# KiCad board CPU2908C.kicad_pcb (continued)
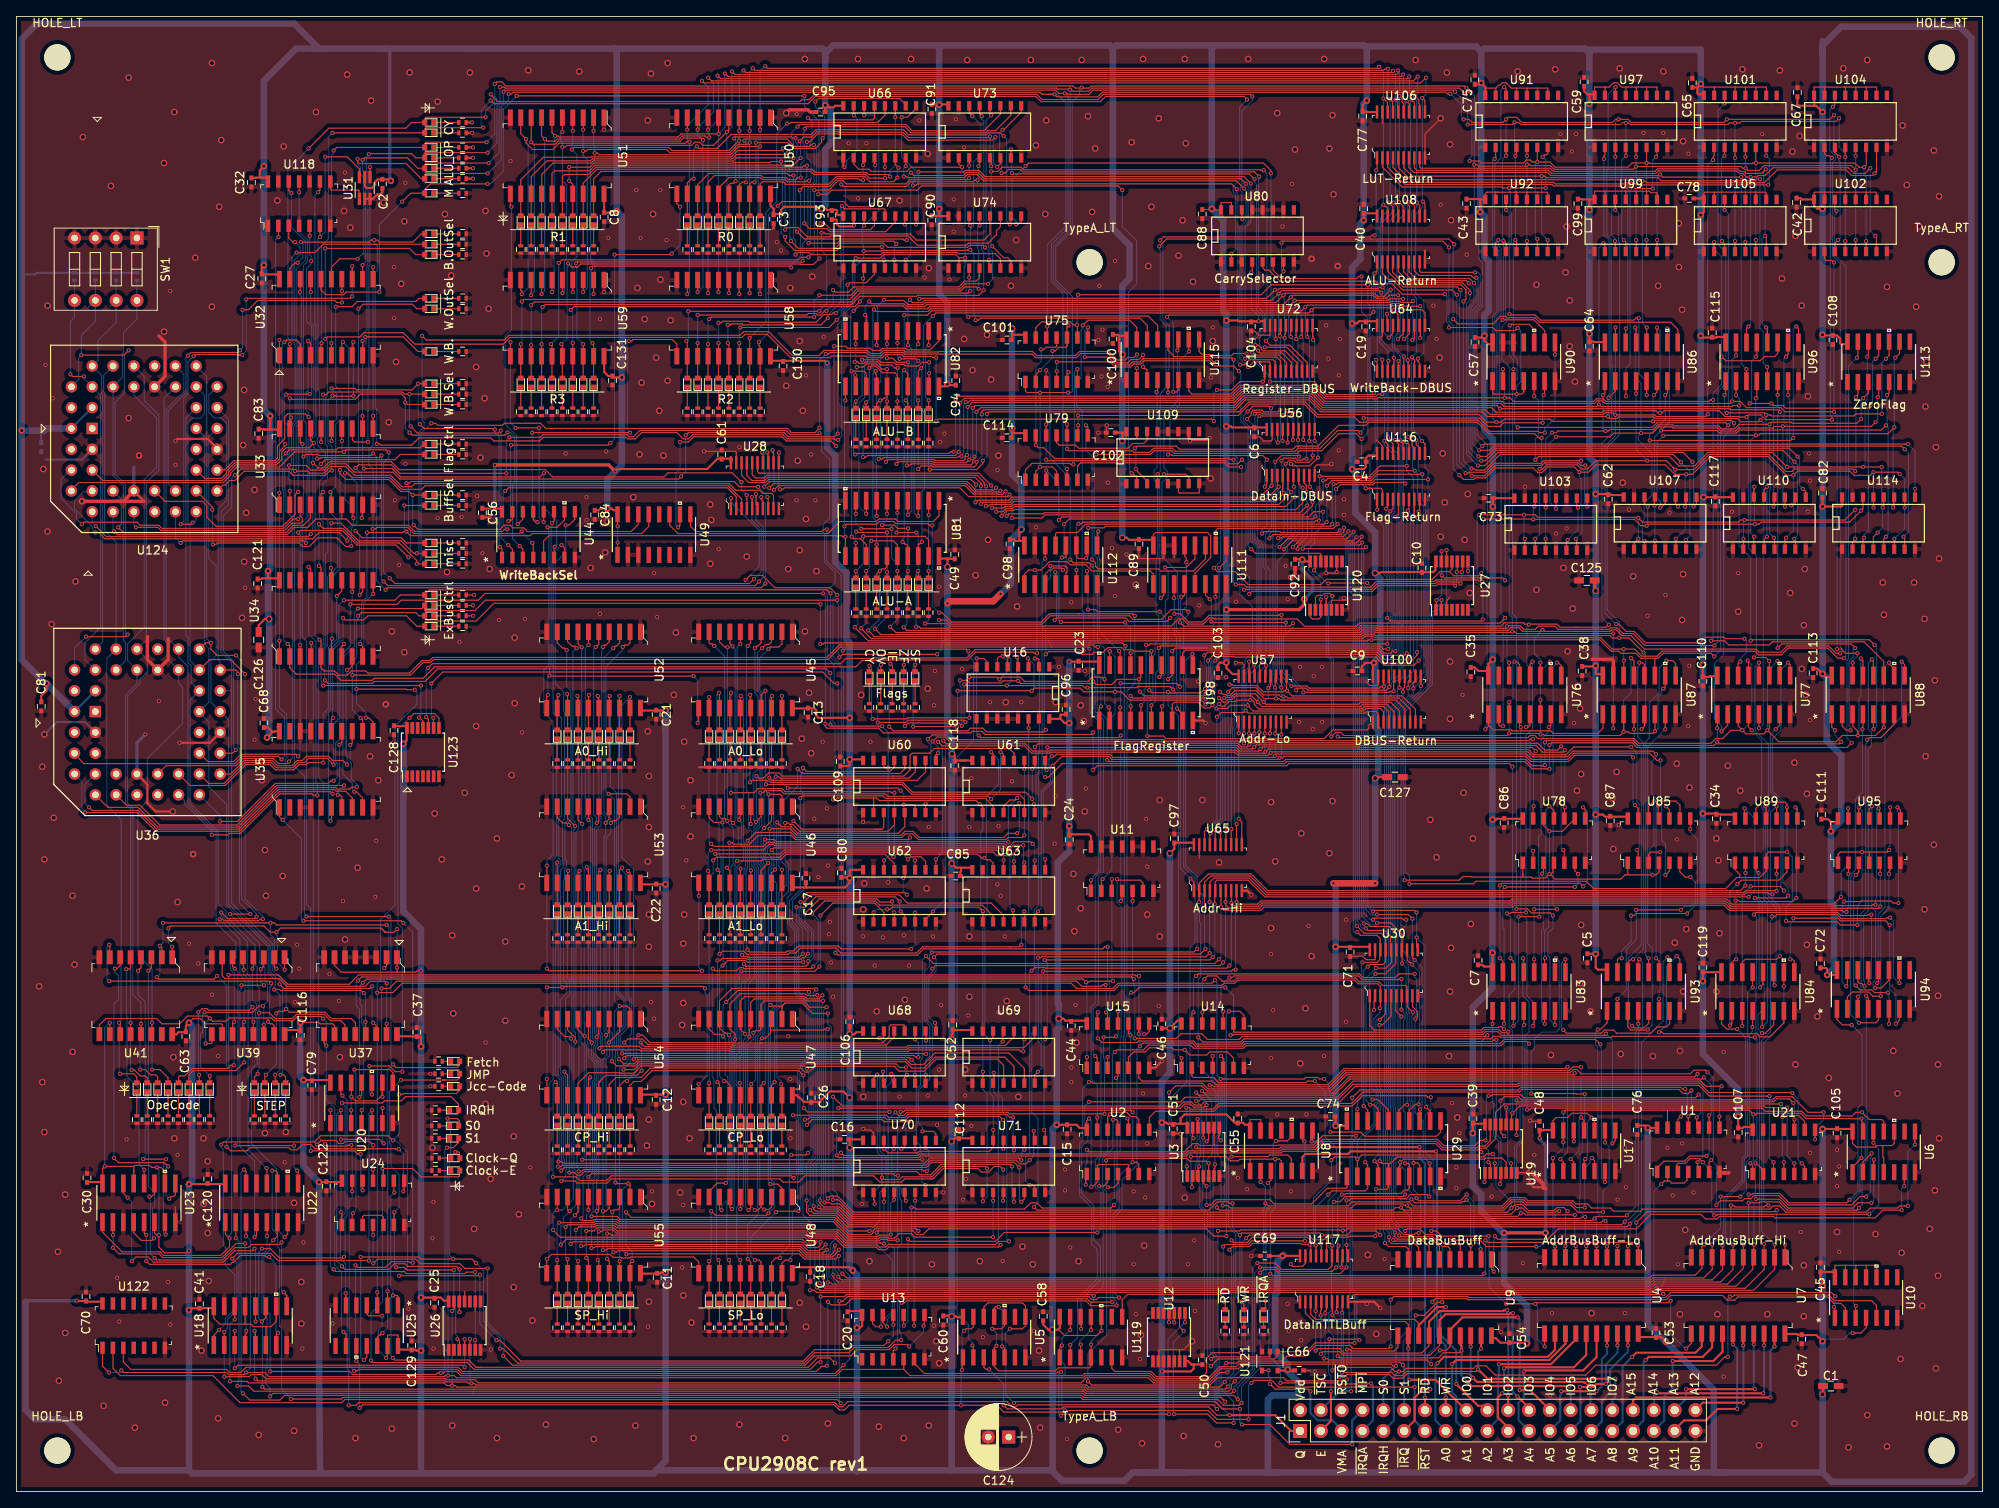
[diagram p0: board, top side]
## Routing (per net, layer and track width the routed paths; a pad name or vN(x,y) marks a point on that pad's centre or on a via; arc(x,y) is an arc through that point) (continued)
  Bottom w0.127: v2(105.63,151.88) 105.89,151.62 v2(105.89,150.3) ; v2(93.84,153.09) 93.34,153.59 93.34,155.52 93.5,155.69 93.5,161.77 93.33,161.94 v2(93.33,162.29) ; v2(67.47,159.95) v2(67.47,161.6)
/Executer/L11: length 55.2
  Top w0.127: 66.64,155.63 66.64,159.05 ; v2(96.18,154.74) 96.81,154.11 98.92,154.11 99.31,153.72 106.08,153.72 107.28,154.93 U67.11 ; v2(96.49,161.79) 96.14,161.79 95.95,161.6 90.52,161.6 70.73,161.6 69.84,160.71 66.92,160.71 66.64,160.44 66.64,158.93
  Bottom w0.127: v2(96.18,154.74) 96.18,160.11 96.49,160.42 v2(96.49,161.79)
/Executer/L12: length 67.2
  Top w0.127: v2(118.99,161.73) 118.99,162.73 118.84,162.87 ; 65.38,155.76 U51.15 65.38,160.83 65.7,161.16 69.93,161.16 70.63,161.85 90.42,161.85 94.84,161.85 v2(95.73,162.74) ; v2(95.6,164.78) 96.1,165.28 97.05,165.28 97.69,165.92 100.37,165.92 100.44,165.85 108.25,165.85 108.89,165.21 118.72,165.21 v2(118.84,165.34)
  Bottom w0.127: v2(95.6,164.78) 95.73,164.65 v2(95.73,162.74) ; v2(118.84,165.34) 118.84,161.87 v2(118.99,161.73)
/Executer/L13: length 67.6
  Top w0.127: v2(95.35,166.55) 95.6,166.8 108.58,166.8 109.32,166.05 118.1,166.05 120.11,168.06 120.11,168.97 ; 64.11,155.76 U51.14 64.11,159.47 64.12,159.49 64.12,160.71 65.52,162.11 70.16,162.11 70.42,162.36 87.49,162.36 87.87,162.74 v2(94.84,162.74)
  Bottom w0.127: v2(94.84,162.74) 94.84,164.76 94.66,164.94 94.66,165.86 v2(95.35,166.55)
/Executer/L14: length 75.3
  Top w0.127: v2(94.24,163.41) 93.99,163.16 87.93,163.16 87.39,162.62 70.31,162.62 70.07,162.37 64.77,162.37 62.85,160.46 62.85,159.49 62.83,159.47 U51.13 62.83,155.63 ; v2(118.23,151.81) 117.98,152.06 116.33,152.06 116.1,151.82 106.34,151.82 105.83,152.33 100.58,152.33 99.94,151.7 95.44,151.7 v2(94.54,152.6) ; v2(118.72,150.3) 118.72,149.79
  Bottom w0.127: v2(94.54,152.6) 94.54,152.95 94.4,153.09 94.4,162.9 94.24,163.06 v2(94.24,163.41) ; v2(118.23,151.81) 118.72,151.32 v2(118.72,150.3)
/Executer/L15: length 77.8
  Top w0.127: v2(93.82,153.98) 94.07,154.23 95.43,154.23 96.56,153.1 99.27,153.1 99.38,153.2 108.84,153.2 109.97,152.07 115.94,152.07 116.19,152.33 118.6,152.33 119.62,153.34 119.62,153.85 120.11,154.34 120.11,155.5 ; v2(93.57,163.88) 93.32,163.64 88.05,163.64 87.28,162.87 70.2,162.87 70.15,162.81 64.32,162.81 61.56,160.06 U51.12 61.56,155.63
  Bottom w0.127: v2(93.82,153.98) 93.82,163.28 93.57,163.53 v2(93.57,163.88)
/Executer/L16: length 40.1
  Top w0.127: v2(92.93,156.9) 93.44,157.41 100.95,157.41 101.59,156.77 104.25,156.77 v2(104.51,157.03) ; 90.78,135.82 U58.19 90.78,139.66 90.65,139.79 v2(90.65,140.26) ; v2(104.82,161.85) 104.75,161.93 U66.4
  Bottom w0.127: v2(104.51,157.03) 104.82,157.34 v2(104.82,161.85) ; v2(92.93,156.9) 91.8,155.77 91.8,141.41 v2(90.65,140.26)
/Executer/L17: length 46.4
  Top w0.127: v2(94.08,166.93) 94.43,166.93 94.56,167.06 105.13,167.06 106.02,167.95 106.02,168.97 ; v2(89.5,140.77) 89.5,140.77 U58.18 89.5,135.82
  Bottom w0.127: v2(94.08,166.93) 92.81,165.66 92.81,157.4 91.48,156.07 91.48,142.75 v2(89.5,140.77)
/Executer/L18: length 27.8
  Top w0.127: v2(88.23,140.14) U58.17 88.23,135.82 ; v2(88.38,142.04) 99.2,142.04 v2(100.13,142.98) ; U67.4 104.75,148.53 103.71,147.5 101.71,147.5 v2(101.46,147.25)
  Bottom w0.127: v2(88.38,142.04) 88.23,141.9 v2(88.23,140.14) ; v2(100.13,142.98) 100.68,143.52 100.68,144.09 101.46,144.87 v2(101.46,147.25)
/Executer/L19: length 39.9
  Top w0.127: v2(86.84,140.14) 86.97,140.01 U58.16 86.97,135.82 ; 106.03,155.76 106.03,156.39 105.9,156.52 101.09,156.52 v2(100.76,156.84) ; 105.89,155.5 U67.12 ; v2(86.84,142.36) 87.19,142.36 87.31,142.48 88.59,142.48 88.71,142.36 98.21,142.36 v2(99.03,143.18)
  Bottom w0.127: v2(100.76,156.84) 100.63,156.71 100.63,145.14 99.03,143.54 v2(99.03,143.18) ; v2(86.84,140.14) v2(86.84,142.36)
/Executer/L20: length 58
  Top w0.127: U73.4 117.57,161.85 v2(117.44,161.73) ; v2(85.69,140.14) U58.15 85.69,135.82 ; v2(100.05,143.82) 99.69,143.82 99.5,143.62 98.56,143.62 97.62,142.68 89.5,142.68 89.38,142.8 86.24,142.8 86.05,142.62 v2(85.69,142.62) ; v2(117.32,160.01) 116.96,160.01 116.78,159.82 109.2,159.82 108.63,159.25 100.95,159.25 v2(100.7,159.5)
  Bottom w0.127: v2(117.44,161.73) 117.44,160.13 v2(117.32,160.01) ; v2(100.05,143.82) 100.95,144.72 100.95,156.37 101.21,156.63 101.21,158.99 v2(100.7,159.5) ; v2(85.69,140.14) v2(85.69,142.62)
/Executer/L21: length 66.9
  Top w0.127: v2(118.99,167.95) 118.84,168.09 U73.12 ; v2(118.59,147.38) 115.79,147.38 115.15,146.74 102.6,146.74 101.84,145.98 v2(98.03,145.98) ; v2(84.42,140.01) U58.14 84.42,135.82 ; v2(97.38,143.31) 84.81,143.31 v2(84.55,143.06)
  Bottom w0.127: v2(97.38,143.31) 97.38,145.33 v2(98.03,145.98) ; v2(84.42,140.01) 84.42,142.93 v2(84.55,143.06) ; v2(118.59,147.38) 119.16,147.94 119.16,151.25 118.67,151.74 118.67,152.39 118.35,152.71 118.35,167.32 v2(118.99,167.95)
/Executer/L22: length 46.7
  Top w0.127: v2(83.16,143.56) 96.47,143.56 96.66,143.75 97.59,143.75 97.78,143.56 98.15,143.56 98.65,144.07 v2(98.87,144.07) ; 83.16,135.82 U58.13 v2(83.16,140.14) ; 117.57,149.41 117.57,148.14 117.13,147.69 115.75,147.69 115.05,146.99 102.22,146.99 101.59,146.36 99.94,146.36 v2(99.68,146.61)
  Bottom w0.127: v2(83.16,143.56) v2(83.16,140.14) ; v2(98.87,144.07) 99.68,144.87 v2(99.68,146.61)
/Executer/L23: length 57.9
  Top w0.127: v2(98.28,153.6) 98.64,153.6 98.78,153.46 109.09,153.46 109.84,152.71 118.1,152.71 118.84,153.45 U74.12 ; 81.89,135.82 U58.12 81.89,140.28 v2(81.77,140.39) ; v2(98.01,144.06) 97.96,144.01 v2(82.01,144.01)
  Bottom w0.127: v2(98.01,144.06) 98.91,144.97 98.91,150.8 98.28,151.43 v2(98.28,153.6) ; v2(81.77,140.39) 82.01,140.63 v2(82.01,144.01)
/Executer/L24: length 59
  Top w0.127: v2(70.33,140.14) 70.45,140.01 U59.19 70.45,135.82 ; v2(94.58,149.35) 94.4,149.53 70.39,149.53 v2(70.13,149.28) ; v2(95.62,158.81) 96.07,159.25 99.25,159.25 100.19,160.19 102.81,160.19 102.99,160.01 v2(103.35,160.01) ; 103.47,162.23 103.39,162.23 103.36,162.21 v2(103.36,161.85)
  Bottom w0.127: v2(95.62,158.81) 95.62,158.45 95.72,158.34 95.72,150.84 94.58,149.7 v2(94.58,149.35) ; v2(103.35,160.01) 103.35,161.84 v2(103.36,161.85) ; v2(70.33,140.14) 70.01,140.46 70.01,148.8 70.13,148.93 v2(70.13,149.28)
/Executer/L25: length 70.2
  Top w0.127: 104.75,168.71 104.75,167.57 104.55,167.38 96.87,167.38 v2(96.62,167.63) ; v2(95.98,150.17) 95.86,150.04 70.18,150.04 68.48,150.04 v2(68.3,149.86) ; v2(69.19,140.01) U59.18 69.19,135.82
  Bottom w0.127: v2(95.98,150.17) 95.98,152.28 96.62,152.91 96.62,159.04 97.38,159.8 97.38,163.61 96.88,164.11 96.88,164.53 97.11,164.76 97.11,167.13 v2(96.62,167.63) ; v2(69.19,140.01) 68.42,140.77 68.42,149.37 68.3,149.5 v2(68.3,149.86)
/Executer/L26: length 48.5
  Top w0.127: v2(103.35,148.01) 103.41,148.07 103.41,149.28 ; v2(67.66,144.2) 68.04,144.58 102.33,144.58 v2(102.97,145.22) ; 67.92,135.82 U59.17 v2(67.92,140.14)
  Bottom w0.127: v2(67.92,140.14) 67.92,143.95 v2(67.66,144.2) ; v2(102.97,145.22) 103.35,145.6 v2(103.35,148.01)
/Executer/L27: length 58.5
  Top w0.127: v2(67.34,149.86) 67.78,149.41 68.51,149.41 68.88,149.79 70.28,149.79 95.71,149.79 95.77,149.73 97.3,149.73 v2(98.03,150.46) ; v2(66.52,140.01) 66.64,139.88 66.64,135.82 ; 104.75,155.5 104.75,154.49 104.24,153.98 99.41,153.98 98.65,154.74 v2(98.16,154.74)
  Bottom w0.127: v2(98.16,154.74) 97.78,154.36 97.78,150.71 v2(98.03,150.46) ; v2(66.52,140.01) 67.21,140.7 67.21,149.37 67.34,149.5 v2(67.34,149.86)
/Executer/L28: length 76
  Top w0.127: v2(66.2,149.91) 66.58,150.3 70.07,150.3 95.46,150.3 95.77,150.61 v2(96.68,150.61) ; v2(97.39,158.81) 99.16,158.81 100.29,159.94 100.91,159.94 101.28,159.57 108.59,159.57 109.09,160.08 116.12,160.08 v2(116.3,160.26) ; 65.38,135.82 U59.15 65.38,139.88 v2(65.25,140.01) ; 116.3,162.62 v2(116.3,161.78)
  Bottom w0.127: v2(116.3,160.26) v2(116.3,161.78) ; v2(66.2,149.91) 66.2,140.96 v2(65.25,140.01) ; v2(96.68,150.61) 97.39,151.33 v2(97.39,158.81)
/Executer/L29: length 86.1
  Top w0.127: v2(117.83,167.82) 117.57,168.08 117.57,168.84 ; v2(64.23,144.52) 64.55,144.84 101.93,144.84 102.95,145.85 109.88,145.85 109.99,145.97 117.45,145.97 v2(118.07,146.58) ; 64.11,135.82 U59.14 v2(64.11,140.01)
  Bottom w0.127: v2(117.83,167.82) 117.83,167.47 118.08,167.22 118.08,152.3 117.79,152.02 117.79,151.59 118.07,151.32 v2(118.07,146.58) ; v2(64.23,144.52) 64.11,144.39 v2(64.11,140.01)
/Executer/L30: length 66
  Top w0.127: v2(116.3,148.14) 116.3,149.15 ; 62.83,135.82 U59.13 v2(62.83,139.88) ; v2(116.43,146.49) 116.18,146.23 102.97,146.23 101.89,145.15 63.21,145.15 v2(62.83,144.78)
  Bottom w0.127: v2(116.43,146.49) 116.3,146.61 v2(116.3,148.14) ; v2(62.83,139.88) v2(62.83,144.78)
/Executer/L31: length 75.1
  Top w0.127: 61.56,135.82 U59.12 v2(61.56,140.01) ; v2(61.69,145.22) 61.94,145.47 101.71,145.47 102.73,146.49 115.26,146.49 115.76,146.99 117.21,146.99 v2(117.46,146.74) ; v2(117.57,154.49) U74.13
  Bottom w0.127: v2(61.69,145.22) 61.69,140.14 v2(61.56,140.01) ; v2(117.46,146.74) 117.46,151.56 117.32,151.7 117.32,154.24 v2(117.57,154.49)
/Executer/L32: length 33.7
  Top w0.127: v2(94.15,85.84) 107.62,85.84 v2(107.94,85.53) ; v2(93.44,97.08) U45.19 93.44,93.02 ; 109.7,82.73 109.7,83.64 109.53,83.81 v2(108.32,83.81)
  Bottom w0.127: v2(108.32,83.81) 108.32,85.14 v2(107.94,85.53) ; v2(93.44,97.08) 93.44,86.55 v2(94.15,85.84)
/Executer/L33: length 35.2
  Top w0.127: v2(92.22,97.08) 92.17,97.03 U45.18 92.17,93.02 ; 91.92,87.06 92.18,86.79 93.48,86.79 93.49,86.79 109.96,86.79 110.98,87.81 110.98,89.21
  Bottom w0.127: v2(91.92,87.12) 91.92,96.78 v2(92.22,97.08)
/Executer/L34: length 50.3
  Top w0.127: U61.6 123.03,84.47 122.41,85.09 109.29,85.09 108.09,86.28 93.28,86.28 93.27,86.29 v2(91.5,86.29) ; 90.9,93.02 U45.17 90.9,97.19 v2(91.43,97.72)
  Bottom w0.127: v2(91.43,97.72) 91.43,86.72 91.5,86.64 v2(91.5,86.29)
/Executer/L35: length 55.2
  Top w0.127: v2(124.01,88.19) 124.3,88.49 U61.10 ; v2(124,84.51) 123.17,85.34 109.39,85.34 108.2,86.53 93.39,86.53 93.38,86.54 92.08,86.54 91.94,86.68 91.71,86.68 91.59,86.79 89.81,86.79 v2(89.56,86.54) ; v2(89.56,97.21) 89.63,97.14 U45.16 89.63,93.02
  Bottom w0.127: v2(124.01,88.19) 124,88.19 v2(124,84.51) ; v2(89.56,97.21) 89.56,96.86 89.52,96.81 89.52,86.94 89.56,86.9 v2(89.56,86.54)
/Executer/L36: length 61.8
  Top w0.127: U62.6 v2(109.7,70.65) ; 88.36,93.02 U45.15 88.36,97.02 v2(88.42,97.08) ; v2(89.23,66.13) 89.51,65.84 91.17,65.84 91.2,65.81 93.94,65.81 94.09,65.97 94.86,65.97 95.46,66.57 100.33,66.57 100.68,66.22 v2(109.21,66.22)
  Bottom w0.127: v2(109.21,66.22) 109.7,66.71 v2(109.7,70.65) ; v2(88.42,97.08) 88.74,96.76 88.74,79.3 89.25,78.8 89.25,76 89.08,75.83 89.08,66.63 89.23,66.48 v2(89.23,66.13)
/Executer/L37: length 49.2
  Top w0.127: v2(87.24,85.27) 90.03,85.27 90.54,85.78 93.46,85.78 93.84,85.4 106.69,85.4 106.82,85.27 v2(107.17,85.27) ; 110.98,76.13 110.98,76.89 110.42,77.46 109.14,77.46 v2(108.83,77.14) ; 87.09,93.02 U45.14 87.09,97.32 v2(87.24,97.46)
  Bottom w0.127: v2(108.83,77.14) 107.17,78.8 v2(107.17,85.27) ; v2(87.24,97.46) v2(87.24,85.27)
/Executer/L38: length 80.1
  Top w0.127: v2(85.82,65.59) 86.17,65.93 88.8,65.93 89.17,65.56 94.2,65.56 94.36,65.71 95.11,65.71 95.71,66.32 100.03,66.32 100.64,65.71 109.86,65.71 110.62,66.48 121.27,66.48 ; v2(85.76,97.46) 85.82,97.4 U45.13 85.82,93.02 ; 121.27,66.48 122.41,66.48 v2(122.67,66.73) ; 121.27,66.48 121.4,66.48 ; v2(123.03,70.79) 123.03,69.91
  Bottom w0.127: v2(85.76,97.46) 85.51,97.21 85.51,81.7 85.76,81.45 85.76,77.71 86.01,77.47 86.01,75.66 85.82,75.48 v2(85.82,65.59) ; v2(123.03,70.79) 122.67,70.43 v2(122.67,66.73)
/Executer/L39: length 65.2
  Top w0.127: 84.55,93.02 U45.12 v2(84.55,96.96) ; v2(124.3,77.02) 124.3,76 ; v2(124.05,79.05) 123.79,79.3 121.8,79.3 121.23,78.74 120.94,78.74 120.63,79.05 92.68,79.05 92.48,79.24 91.79,79.24 91.77,79.23 91.67,79.23 91.18,78.74 85.12,78.74 v2(84.81,79.05)
  Bottom w0.127: v2(84.55,96.96) 84.55,79.3 v2(84.81,79.05) ; v2(124.3,77.02) 124.3,78.8 v2(124.05,79.05)
/Executer/L40: length 86.2
  Top w0.127: v2(109.7,50.85) 109.7,50.09 ; v2(109.27,52.68) 108.99,52.95 75.55,52.95 v2(75.35,52.75) ; 74.9,92.89 U52.19 v2(74.9,96.96)
  Bottom w0.127: v2(74.9,96.96) 73.9,95.96 73.9,77.4 75.35,75.95 v2(75.35,52.75) ; v2(109.7,50.85) 109.7,52.25 v2(109.27,52.68)
/Executer/L41: length 88.6
  Top w0.127: v2(73.63,97.08) U52.18 73.63,92.89 ; 110.97,56.06 111.04,55.99 v2(111.04,55.05) ; v2(73.94,53.46) 86.99,53.46 110.62,53.46 110.69,53.4 v2(111.04,53.4)
  Bottom w0.127: v2(111.04,55.05) v2(111.04,53.4) ; v2(73.94,53.46) 73.94,53.82 73.5,54.26 73.5,55.92 74.41,56.82 74.41,59.99 73.5,60.9 73.5,96.6 73.63,96.73 v2(73.63,97.08)
/Executer/L42: length 104.1
  Top w0.127: 123.03,50.98 123.03,50.09 ; v2(72.42,97.08) 72.36,97.02 U52.17 72.36,92.89 ; 123.03,51.35 123.03,51.51 ; 123.03,51.35 123.03,51.63 121.14,53.52 112.13,53.52 110.73,52.12 109.2,52.12 108.63,52.7 75.92,52.7 75.41,52.19 74.13,52.19 v2(73.56,52.76) ; 123.03,51.35 U69.6
  Bottom w0.127: v2(73.56,52.76) 73.56,53.11 73.38,53.3 73.38,54.02 73.25,54.15 73.25,56.05 74.15,56.95 74.15,59.89 73.25,60.79 73.25,85.27 72.5,86.02 72.5,96.42 72.42,96.51 v2(72.42,97.08)
/Executer/L43: length 102.6
  Top w0.127: v2(70.96,97.08) 71.09,96.96 U52.16 71.09,92.89 ; v2(71.16,54.09) 71.41,54.34 76.01,54.34 76.32,54.03 87.14,54.03 87.2,53.97 108.74,53.97 108.93,54.16 122.97,54.16 124.3,55.49 124.3,56.19
  Bottom w0.127: v2(70.96,97.08) 70.96,96.73 71.09,96.6 71.09,82.62 71.36,82.35 71.36,81.33 70.84,80.81 70.84,56.11 71.27,55.67 71.27,54.21 v2(71.16,54.09)
/Executer/L44: length 115.1
  Top w0.127: v2(110.09,31.81) 109.84,32.06 104.8,32.06 104.57,31.83 104.57,31.59 104.34,31.36 101.65,31.36 99.81,33.2 73.7,33.2 73.32,33.58 v2(70.2,33.58) ; v2(69.88,97.21) 69.82,97.15 U52.15 69.82,92.89 ; v2(109.7,35.49) 109.7,36.38
  Bottom w0.127: v2(109.7,35.49) 109.7,32.2 v2(110.09,31.81) ; v2(69.88,97.21) 69.88,82.56 70.33,82.11 70.33,55.34 70.67,55 70.67,54.58 70.46,54.37 70.46,53.18 71.09,52.54 71.09,50.14 70.84,49.88 70.84,38.41 70.4,37.97 70.4,34.13 70.2,33.94 v2(70.2,33.58)
/Executer/L45: length 108.9
  Top w0.127: 68.55,92.89 U52.14 68.55,97.02 v2(68.48,97.08) ; v2(110.97,41.97) 110.97,42.32 ; v2(68.63,39.06) 68.97,39.06 69.21,39.3 110.58,39.3 110.76,39.11 v2(111.11,39.11)
  Bottom w0.127: v2(68.48,97.08) 68.48,96.73 68.63,96.59 68.63,80.76 68.3,80.43 68.3,75.88 68.3,56.57 68.67,56.2 68.67,41.19 68.42,40.94 68.42,39.71 68.63,39.5 v2(68.63,39.06) ; v2(111.11,39.11) 111.36,39.36 111.36,41.57 v2(110.97,41.97)
/Executer/L46: length 126.2
  Top w0.127: v2(122.67,35.36) 123.03,35.73 123.03,36.63 ; v2(66.52,39.17) 66.9,39.55 111.09,39.55 111.72,40.19 121.78,40.19 v2(122.41,39.55) ; 67.28,92.89 U52.13 67.28,97.28 v2(67.22,97.34)
  Bottom w0.127: v2(66.52,39.17) 66.89,39.55 66.89,40.52 66.77,40.64 66.77,50.6 66.39,50.98 66.39,59.98 67.17,60.76 67.17,62.03 66.79,62.41 66.79,74.6 66.91,74.72 66.91,75.96 67.17,76.22 67.17,76.99 66.96,77.2 66.96,81.59 67.28,81.92 67.28,96.92 67.22,96.98 v2(67.22,97.34) ; v2(122.67,35.36) 122.41,35.62 v2(122.41,39.55)
/Executer/L47: length 126.5
  Top w0.127: 66.01,92.77 U52.12 66.01,97.07 v2(66.15,97.21) ; v2(123.68,40.44) 123.24,39.99 122.48,39.99 122.03,40.44 111.62,40.44 110.98,39.81 66.62,39.81 66.46,39.65 v2(66.11,39.65) ; v2(124.18,44) 124.18,42.73
  Bottom w0.127: v2(123.68,40.44) 124.18,40.93 v2(124.18,44) ; v2(66.15,97.21) 66.15,94.79 66.53,94.41 66.53,82.47 66.2,82.14 66.2,77.24 66.47,76.97 66.47,76.55 66.14,76.22 66.14,50.88 66.52,50.5 66.52,40.53 66.64,40.41 66.64,39.82 66.46,39.65 v2(66.11,39.65)
/Executer/L48: length 28.4
  Top w0.127: v2(92.87,81.66) 93.39,81.13 94.57,81.13 95.38,80.32 107.63,80.32 108.44,81.13 108.44,82.86 ; 93.44,71.68 U46.19 93.44,75.86 v2(93.46,75.87)
  Bottom w0.127: v2(92.87,81.66) 93.06,81.46 93.06,76.27 v2(93.46,75.87)
/Executer/L49: length 35.2
  Top w0.127: 92.17,71.56 U46.18 92.17,75.47 v2(92.6,75.9) ; v2(92.7,87.24) 93.05,87.24 93.24,87.05 107.09,87.05 108.95,87.05 109.71,87.81 109.71,89.34
  Bottom w0.127: v2(92.7,87.24) 92.43,86.97 92.43,81.46 92.8,81.09 92.8,76.09 v2(92.6,75.9)
/Executer/L50: length 46.4
  Top w0.127: v2(122.16,80.32) 121.02,80.32 120.51,79.81 110.2,79.81 109.44,80.57 108.46,80.57 107.96,80.07 95.28,80.07 94.47,80.87 v2(91.94,80.87) ; v2(91.78,76.7) 90.9,75.83 U46.17 90.9,71.56 ; v2(122.41,84) 122.16,83.75 121.91,83.75 121.76,83.61 121.76,83.11
  Bottom w0.127: v2(91.78,76.7) 91.43,77.05 91.43,78.92 91.94,79.44 v2(91.94,80.87) ; v2(122.16,80.32) 122.41,80.57 v2(122.41,84)
/Executer/L51: length 53
  Top w0.127: U61.11 v2(123.03,88.18) ; v2(89.66,75.79) 89.63,75.77 U46.16 89.63,71.56 ; 123.03,88.42 123.03,89.08 ; v2(89.25,79.43) 90.25,80.43 92.15,80.43 92.17,80.45 94.54,80.45 95.17,79.81 108.06,79.81 108.5,80.25 109.4,80.25 110.09,79.56 120.77,79.56 120.87,79.66 120.87,79.67 121.02,79.81 122.78,79.81 v2(123.04,80.07)
  Bottom w0.127: v2(89.66,75.79) 89.5,75.95 89.5,79.18 v2(89.25,79.43) ; v2(123.03,88.18) 123.04,88.17 v2(123.04,80.07)
/Executer/L52: length 44.8
  Top w0.127: U62.5 108.43,70.3 v2(107.94,70.79) ; v2(95.22,71.3) 96.28,71.3 97.55,72.57 107.23,72.57 v2(107.81,72) ; v2(88.59,65.49) 88.77,65.31 89.22,65.31 89.33,65.2 95.56,65.2 v2(95.99,65.63) ; v2(88.39,76.02) 88.36,75.99 U46.15 88.36,71.68
  Bottom w0.127: v2(95.22,71.3) 95.22,69.46 95.99,68.69 v2(95.99,65.63) ; v2(107.94,70.79) 107.81,70.92 v2(107.81,72) ; v2(88.39,76.02) 88.34,75.96 88.34,65.74 v2(88.59,65.49)
/Executer/L53: length 34.8
  Top w0.127: v2(109.08,79.81) 108.83,79.56 95.07,79.56 94.56,80.06 90.54,80.06 89.46,78.99 87.57,78.99 87.39,79.18 v2(87.03,79.18) ; v2(109.7,77.02) 109.7,76.13 ; v2(86.71,76.13) 87.09,75.75 U46.14 87.09,71.68
  Bottom w0.127: v2(109.08,79.81) 108.83,79.56 108.83,77.89 v2(109.7,77.02) ; v2(86.71,76.13) 87.03,76.45 v2(87.03,79.18)
/Executer/L54: length 51.6
  Top w0.127: v2(85.57,75.87) 85.82,75.62 U46.13 85.82,71.56 ; v2(121.27,78.04) 120.92,78.04 120.72,77.85 120.04,77.85 119.6,78.29 93.72,78.29 93.25,77.82 v2(85.3,77.82) ; v2(121.64,70.92) 121.64,70.57 121.76,70.44 121.76,69.52
  Bottom w0.127: v2(85.3,77.82) 85.57,77.55 v2(85.57,75.87) ; v2(121.64,70.92) 121.27,71.29 v2(121.27,78.04)
/Executer/L55: length 48.6
  Top w0.127: 84.55,71.68 U46.12 84.55,75.62 v2(84.42,75.75) ; v2(84.81,78.29) 91.19,78.29 91.89,78.99 92.38,78.99 92.57,78.8 120.51,78.8 120.82,78.48 121.33,78.48 121.71,78.86 v2(122.91,78.86) ; v2(123.03,76.76) U63.11
  Bottom w0.127: v2(84.81,78.29) 84.42,77.91 v2(84.42,75.75) ; v2(123.03,76.76) 122.91,76.89 v2(122.91,78.86)
/Executer/L56: length 66.2
  Top w0.127: 74.9,71.68 U53.19 74.9,75.49 v2(74.65,75.75) ; 108.43,49.71 108.43,50.59 v2(108.7,50.85) ; v2(74.1,51.49) 75.43,51.49 76.13,52.19 107.36,52.19 107.81,51.74 v2(108.57,51.74)
  Bottom w0.127: v2(74.65,75.75) 74.65,75.39 74.66,75.38 74.66,60.51 75.09,60.07 75.09,55.88 74.91,55.7 74.91,52.3 v2(74.1,51.49) ; v2(108.57,51.74) 108.57,50.98 v2(108.7,50.85)
/Executer/L57: length 68.4
  Top w0.127: v2(74.21,52.88) 74.53,53.21 109.55,53.21 109.74,53.01 v2(110.09,53.01) ; v2(109.7,55.17) 109.7,56.06 ; v2(73.94,76.13) 73.63,75.81 U53.18 73.63,71.56
  Bottom w0.127: v2(73.94,76.13) 73.94,75.77 74.4,75.32 74.4,60.39 74.84,59.95 74.84,56.78 73.76,55.7 73.76,54.41 74.4,53.77 74.4,53.07 v2(74.21,52.88) ; v2(110.09,53.01) 110.09,54.78 v2(109.7,55.17)
/Executer/L58: length 80.6
  Top w0.127: v2(72.68,52.51) 73.25,51.94 75.52,51.94 76.03,52.45 108.52,52.45 109.28,51.68 110.8,51.68 112.13,53.01 120.64,53.01 121.76,51.89 121.76,49.84 ; 72.36,71.56 U53.17 72.36,75.69 v2(72.42,75.75)
  Bottom w0.127: v2(72.42,75.75) 72.42,75.39 72.37,75.34 72.37,56.31 72.74,55.94 72.74,52.92 72.68,52.86 v2(72.68,52.51)
/Executer/L59: length 80.7
  Top w0.127: v2(71.28,75.87) 71.09,75.68 U53.16 71.09,71.56 ; v2(71.6,53.65) 71.86,53.9 76.09,53.9 76.21,53.78 87.04,53.78 87.09,53.72 108.85,53.72 109.04,53.9 122.37,53.9 122.55,53.72 v2(122.91,53.72) ; v2(123.03,55.17) 123.03,55.94
  Bottom w0.127: v2(71.6,53.65) 71.6,54.3 71.53,54.37 71.53,55.88 71.28,56.12 v2(71.28,75.87) ; v2(123.03,55.17) 122.91,55.05 v2(122.91,53.72)
/Executer/L60: length 85.9
  Top w0.127: v2(108.57,35.49) 108.43,35.63 U70.5 ; v2(69.82,38.41) 70.2,38.79 107.01,38.79 107.24,38.55 v2(107.6,38.55) ; v2(69.62,76.19) 69.82,75.99 U53.15 69.82,71.56
  Bottom w0.127: v2(108.57,35.49) 108.57,35.84 108.06,36.35 108.06,36.88 108.04,36.88 107.6,37.33 v2(107.6,38.55) ; v2(69.62,76.19) 69.62,75.83 69.8,75.65 69.8,55.34 69.71,55.25 69.71,54.73 69.82,54.62 69.82,53.09 70.58,52.33 70.58,50.35 70.33,50.09 70.33,38.92 v2(69.82,38.41)
/Executer/L61: length 83.9
  Top w0.127: v2(69.06,40.5) 69.41,40.5 110.23,40.5 110.24,40.51 v2(110.59,40.51) ; 109.7,42.6 v2(109.7,41.84) ; v2(68.74,75.75) 68.55,75.56 U53.14 68.55,71.56
  Bottom w0.127: v2(109.7,41.84) 109.7,41.4 v2(110.59,40.51) ; v2(68.74,75.75) 68.74,75.39 68.92,75.21 68.92,54.8 69.31,54.41 69.31,40.75 v2(69.06,40.5)
/Executer/L62: length 102.5
  Top w0.127: 67.28,71.56 U53.13 67.28,75.68 v2(67.35,75.75) ; 121.76,36.76 v2(121.76,35.36) ; v2(121.53,39.68) 121.28,39.93 112.89,39.93 111.63,38.66 110.29,38.66 109.91,39.04 69.31,39.04 68.88,38.61 68.46,38.61 68.15,38.92 v2(67.5,38.92)
  Bottom w0.127: v2(121.76,35.36) 121.53,35.6 v2(121.53,39.68) ; v2(67.5,38.92) 67.5,54.58 67.04,55.04 67.04,60.13 67.53,60.62 67.53,62.3 67.26,62.58 67.26,75.3 67.35,75.39 v2(67.35,75.75)
/Executer/L63: length 101.3
  Top w0.127: v2(66.03,76.76) 66.01,76.75 U53.12 66.01,71.56 ; v2(66.17,40.27) 66.52,40.27 66.73,40.06 110.86,40.06 111.49,40.69 122.41,40.69 v2(122.67,40.44) ; v2(123.03,41.71) 123.03,42.6
  Bottom w0.127: v2(66.03,76.76) 65.78,76.51 65.78,50.88 66.26,50.39 66.26,40.72 66.17,40.62 v2(66.17,40.27) ; v2(123.03,41.71) 122.67,41.35 v2(122.67,40.44)
/Executer/L64: length 52.4
  Top w0.127: 93.44,45.78 U47.19 93.44,49.6 v2(93.33,49.71) ; 107.17,82.86 107.17,81.33 106.41,80.57 95.6,80.57 94.77,81.4 94.38,81.4 94.19,81.59 v2(93.84,81.59)
  Bottom w0.127: v2(93.84,81.59) 93.84,77.02 94.22,76.64 94.22,73.21 93.33,72.32 93.33,59.25 92.82,58.74 92.82,50.57 93.33,50.07 v2(93.33,49.71)
/Executer/L65: length 58.8
  Top w0.127: 92.17,45.78 U47.18 92.17,49.59 v2(92.55,49.97) ; v2(95.36,88.19) 95.93,87.63 107.88,87.63 108.44,88.19 108.44,89.21
  Bottom w0.127: v2(95.36,88.19) 95.36,86.03 93.31,83.99 93.31,76.93 93.97,76.28 93.97,73.97 93.08,73.08 93.08,59.35 92.55,58.83 v2(92.55,49.97)
/Executer/L66: length 72.8
  Top w0.127: 90.9,45.78 U47.17 90.9,49.53 v2(91.22,49.84) ; v2(91.4,79.57) 92.51,79.57 92.78,79.3 121,79.3 v2(121.08,79.22) ; v2(122.16,84.64) 121.91,84.39 121.28,84.39 120.51,83.62 120.51,82.86
  Bottom w0.127: v2(91.4,79.57) 91.17,79.34 91.17,76.73 91.37,76.53 91.37,55.57 91.47,55.47 91.47,50.09 v2(91.22,49.84) ; v2(121.08,79.22) 121.08,83.56 v2(122.16,84.64)
/Executer/L67: length 77.4
  Top w0.127: v2(89.69,49.71) 89.63,49.65 U47.16 89.63,45.9 ; 121.78,89.59 121.78,90.1 121.2,90.68 112.05,90.68 111.48,90.1 109.33,90.1 109.08,89.84 109.08,88.07 108.32,87.3 106.99,87.3 93.47,87.3 93.09,87.69 91.83,87.69 91.2,87.05 90.58,87.05 v2(90.33,87.3)
  Bottom w0.127: v2(90.33,87.3) 90.33,82.28 90.71,81.91 90.71,81.37 90.27,80.93 90.27,76.56 90.61,76.22 90.61,55.98 90.21,55.58 90.21,50.23 v2(89.69,49.71)
/Executer/L68: length 48.2
  Top w0.127: v2(107.16,70.67) 107.16,69.65 ; v2(96.24,70.54) 98.01,72.32 105.02,72.32 105.4,71.94 106.78,71.94 ; v2(106.9,72) 106.84,71.94 106.78,71.94 ; v2(88.8,64.36) 89.05,64.11 96.37,64.11 96.65,64.38 v2(96.65,64.74) ; 106.78,71.94 106.84,71.88 ; v2(88.3,49.84) 88.36,49.78 U47.15 88.36,45.78
  Bottom w0.127: v2(106.9,72) 106.9,70.92 v2(107.16,70.67) ; v2(96.24,70.54) 96.24,69.52 97.32,68.44 97.32,65.14 96.92,64.74 v2(96.65,64.74) ; v2(88.3,49.84) 88.3,53.08 88.49,53.27 88.49,55.16 88.49,62.01 89.05,62.57 89.05,64.11 v2(88.8,64.36)
/Executer/L69: length 55
  Top w0.127: 87.09,45.9 U47.14 87.09,49.6 86.6,50.09 v2(86.4,50.09) ; v2(108.25,74.88) 108.5,75.13 108.5,75.68 ; v2(108.7,72.83) 108.44,73.08 96.49,73.08 v2(96.11,72.7) ; v2(96.04,64.61) 89.2,64.61 89.01,64.8 86.81,64.8 v2(86.2,64.19)
  Bottom w0.127: v2(86.2,64.19) 85.83,63.82 85.83,50.66 v2(86.4,50.09) ; v2(96.11,72.7) 96.36,72.45 96.36,71.44 95.8,70.88 95.8,69.61 97.07,68.34 97.07,65.38 96.86,65.18 96.25,65.18 96.04,64.96 v2(96.04,64.61) ; v2(108.25,74.88) 108.25,73.28 v2(108.7,72.83)
/Executer/L70: length 64.4
  Top w0.127: v2(85.57,49.97) 85.82,49.71 U47.13 85.82,45.78 ; U63.4 120.49,70.3 118.98,71.81 108.77,71.81 107.75,72.83 97.01,72.83 96.13,71.94 v2(95.73,71.94) ; v2(96.62,65.62) 96.14,65.14 95.95,65.14 95.75,64.94 89.22,64.94 89.12,65.05 86.15,65.05 85.92,64.82 v2(85.57,64.82)
  Bottom w0.127: v2(95.73,71.94) 95.73,71.17 95.54,70.98 95.54,69.5 96.62,68.42 v2(96.62,65.62) ; v2(85.57,49.97) v2(85.57,64.82)
/Executer/L71: length 72.2
  Top w0.127: v2(121.76,76.89) 121.76,75.87 ; v2(122.16,78.29) 121.47,77.59 119.69,77.59 119.24,78.03 93.82,78.03 93.19,77.4 85.44,77.4 v2(85.06,77.02) ; 84.55,45.65 U47.12 v2(84.55,49.84)
  Bottom w0.127: v2(84.55,49.84) 84.55,50.19 84.57,50.21 84.57,60.75 84.55,60.76 84.55,74.98 85.06,75.49 v2(85.06,77.02) ; v2(122.16,78.29) 121.76,77.89 v2(121.76,76.89)
